# KiCad board reform2-keyboard.kicad_pcb (continued)
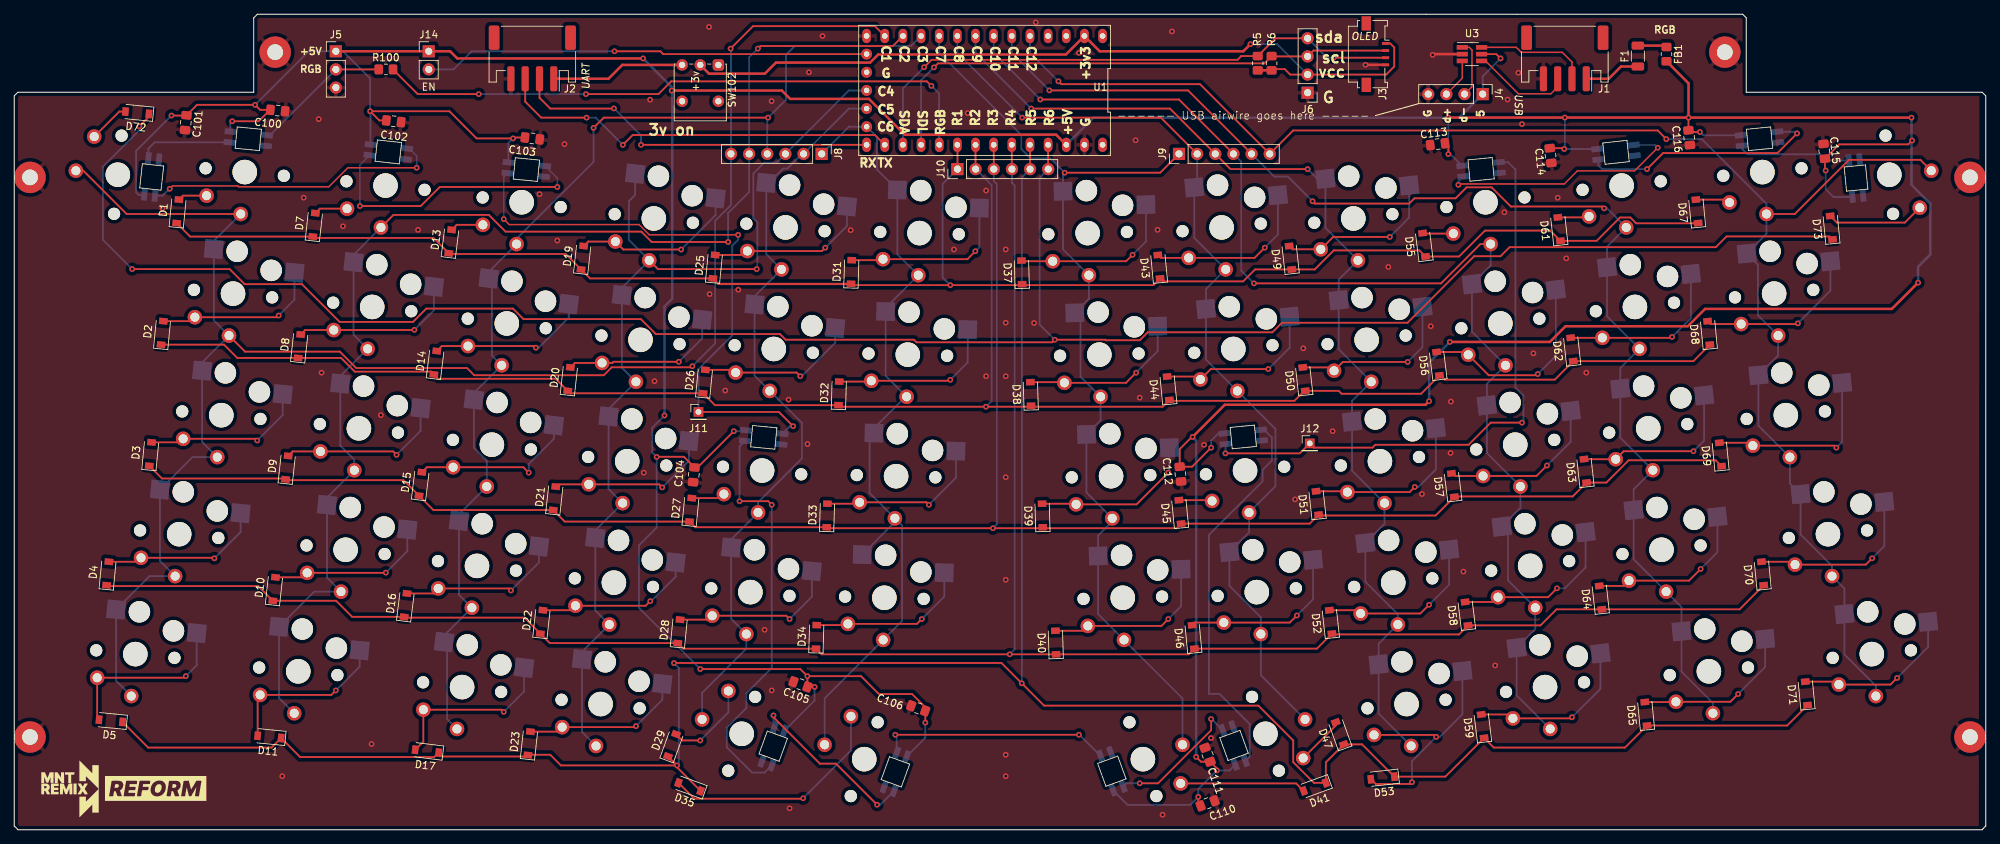
[diagram p0: board, top side]
## Nets (continued)
Net-(D113-Pad2): D113.2 D114.4
Net-(D114-Pad2): D114.2 D115.4
Net-(D115-Pad2): D115.2 D116.4
Net-(F1-Pad2): F1.2 FB1.1
Net-(SW102-Pad3): J2.1 SW102.3

Pads without a net: D116 2; J1 MP; J2 MP; J3 MP; SW102 1; U1 1 3 4 33

## Via types
v1: diameter 0.8, hole 0.4, Top to Bottom, 213 vias

## Routing (per net, layer and track width the routed paths; a pad name or vN(x,y) marks a point on that pad's centre or on a via; arc(x,y) is an arc through that point)
+3V3: length 114.8
  Top w0.25: R6.1 176.13,106.5 177.8,106.5 178.56,105.74 J6.2 192,105.74 193.12,106.86 193.12,109.54 192.56,110.1 J3.1
  Top w0.35: SW102.2 97.22,105.87 105.04,105.87 106.59,107.41 119.77,107.41 120.91,108.55 147.17,108.55 U1.2 151.9,109 172,109 v1(173,110) ; R5.1 R6.1
  Bottom w0.25: v1(173,110) 176.74,110 J6.2
+5V: length 777.8
  Top w0.25: C102.1 51.09,99.31 v1(49.8,100.6) 60.9,100.6 64.7,96.8 v1(69.8,96.8) 69.93,96.93 C103.1 ; v1(111,21.5) 110,22.5 v1(96,22.5) ; v1(111,21.5) C105.1 v1(112,20) ; v1(111,21.5) 118.5,21.5 121,19 125.65,19 127.47,17.17 C106.1 127.5,16.62 v1(127.5,15) ; v1(167.5,53.5) 164.83,50.83 C112.1 163.1,53.3 164.8,55 v1(164.9,55) ; v1(165.4,10.2) 166.07,9.53 C111.1 168.3,8.58 v1(168.3,8.3) ; v1(89.9,52.2) 89.92,52.22 93.71,52.22 C104.1 95.63,50.73 v1(100.7,55.8) ; v1(200.7,94.6) 200.7,95.66 C113.1 ; 205.9,108.6 207.4,108.6 v1(208,108) ; v1(216.92,95.32) 216.8,95.43 C114.1 ; v1(265.6,96.5) 265.06,95.96 255.4,95.96 C115.1 253.4,92.4 v1(253.5,92.3) ; v1(22,100) 24.07,100 C101.1 25.57,101.5 v1(33.7,101.5) 34.4,100.8 C100.1 35.8,100.8 34.2,99.2 v1(30.5,99.2) ; C110.1 165.7,3.67 v1(165.7,4.6) ; v1(235.9,97.7) 234.53,97.7 C116.1 234.3,99.7 v1(234.31,99.71)
  Top w0.35: 45.5,108.5 J5.1 J14.1 61,109 62,108 v1(88,108) ; v1(198,60) 197.5,59.5 169.4,59.5 v1(164.9,55) ; FB1.2 234.31,104.51 v1(234.31,99.71) ; U1.31 145.8,97.32 124.62,97.32 119.61,102.33 108.58,102.33 107.42,103.5 v1(92,103.5) ; v1(265.51,99.71) v1(234.31,99.71) ; v1(234.31,99.71) 234.3,99.72 200.72,99.72 v1(200.7,99.7) ; v1(200.9,68.3) 214.9,68.3 217.1,70.5 234.2,70.5 236.63,72.93 262.76,72.93 v1(266.44,76.61)
  Bottom w0.25: 107.81,13.89 112,18.08 v1(112,20) ; 30.23,97.75 30.23,98.93 v1(30.5,99.2) ; v1(96,22.5) 87.42,31.08 87.42,39.82 89.9,42.3 v1(89.9,52.2) 89.28,52.82 89.28,56.28 v1(91,58) ; 202.62,92.96 200.98,94.6 v1(200.7,94.6) v1(200.7,99.7) ; 241.59,97.25 236.35,97.25 v1(235.9,97.7) ; v1(127.5,15) 127.5,12.88 124.91,10.29 ; 102.37,55.94 102.24,55.8 v1(100.7,55.8) ; 221.49,95.32 v1(216.92,95.32) 217,95.4 v1(217,99.72) ; v1(22,100) 17.05,95.05 17.05,89.25 17.4,88.9 18.2,88.9 ; J4.1 205.5,105.5 v1(208,108) ; v1(253.5,92.3) 253.5,89.68 254.59,88.59 257.25,88.59 ; 69.15,93.43 69.15,96.15 v1(69.8,96.8) ; 170.88,9.1 170.08,8.3 v1(168.3,8.3) 165.7,5.7 v1(165.7,4.6) 164.59,3.49 155.8,3.49 153.78,5.5 ; 49.85,95.94 49.85,100.55 v1(49.8,100.6) 49.8,105.2 46,109 J5.1 41.2,109 v1(33.7,101.5) ; v1(167.5,53.5) 167.5,54.49 168.51,55.5 169.34,55.5
  Bottom w0.35: v1(266.44,76.61) 266.44,78.84 268.15,80.55 268.15,87.66 265.51,90.3 v1(265.51,99.71) ; J4.1 202.2,99.7 151.02,99.7 U1.31 ; v1(200.9,68.3) 198,65.4 v1(198,60) ; v1(165.4,10.2) 165.4,54.5 v1(164.9,55) ; v1(88,108) 92,104 v1(92,103.5) 92.07,103.43 92.07,74.35 91,73.28 v1(91,58)
GND: length 7
  Top w0.35: v1(198.5,108.5) 198.6,108.6 U3.2 ; J3.4 v1(189.1,107.1)
  vias: v1(20.74,86.99) v1(37.5,7.5) v1(40.5,88.5) v1(42.6,99.5) v1(43,64) v1(46,84.5) v1(50,12) v1(51.3,58.05) v1(56.5,84) v1(73.5,89) v1(76,82.5) v1(77,96) v1(88.1,50) v1(88.98,102.23) v1(89.6,62.8) v1(97.23,112.41) v1(97.31,75) v1(99.5,61.5) v1(101.32,75.62) v1(105,28) v1(105.99,102.02) v1(106,19.5) v1(108.36,60.23) v1(108.5,3) v1(111.01,54) v1(111.2,106.06) v1(113.11,111.14) v1(117.05,83.95) v1(131.5,81.25) v1(133.43,100.34) v1(136,89.5) v1(136,63.5) v1(138.75,81.25) v1(138.75,71) v1(138.75,63.5) v1(138.75,49.36) v1(138.75,35) v1(138.75,10.5) v1(138.75,7.5) v1(142.72,70.95) v1(142.96,113.05) v1(149,108.77) v1(156.93,96.53) v1(157.5,60.5) v1(160,84) v1(160.7,2.1) v1(162,111.78) v1(166.5,53.9) v1(167.48,12.83) v1(179.25,46.25) v1(180.4,67.4) v1(184.5,55.8) v1(192.3,78.8) v1(197,47) v1(198.23,70.5) v1(201.05,59.95) v1(201,52.75) v1(202.81,36.15) v1(207.25,23) v1(208.54,86.46) v1(208.98,102.25) v1(210.5,106) v1(211,98.8) v1(212.6,66.7) v1(216,88.5) v1(217.2,80) v1(220,64)
COL1: length 248.4
  Top w0.25: v1(94.9,64.9) 94.75,64.75 83.61,64.75 82.5,63.64 64.36,63.64 63.36,64.64 47.86,64.64 45.55,66.95 32.29,66.95 SW2.1 ; SW72.1 9.66,92.28 15.72,86.21 SW1.1 ; U1.13 120.45,112.51 103.39,112.51 v1(100.25,109.37)
  Bottom w0.25: v1(100.25,109.37) 100.3,109.32 J8.6 100.3,87.47 98.08,85.25 98.08,68.08 v1(94.9,64.9) ; SW1.1 27.92,82.45 SW2.1 27.92,71.32 SW2.1 26.28,65.43 SW3.1 26.28,54.3 SW3.1 24.94,52.17 SW4.1 20.39,37.63 SW4.1 18.93,35.51 SW5.1 14.25,20.84 SW5.1
COL2: length 182.6
  Top w0.25: SW7.1 53.07,86.09 66.41,86.09 68.75,83.75 87.75,83.75 89.2,82.3 v1(99.9,82.3) ; v1(104.07,109.37) 104.43,109.74 122.96,109.74 U1.12
  Bottom w0.25: SW11.1 37.05,18.43 SW11.1 41.98,33.34 SW10.1 43.76,35.3 SW10.1 43.76,46.51 SW9.1 47.59,51.81 45.62,53.78 SW9.1 45.62,63.51 SW8.1 47.48,69.3 SW8.1 47.48,80.5 SW7.1 ; v1(104.07,109.37) 102.84,108.15 J8.5 102.84,89.3 99.9,86.36 v1(99.9,82.3)
COL3: length 157.3
  Top w0.25: v1(81.07,98.27) 82.5,99.71 v1(105.49,99.71)
  Bottom w0.25: U1.11 125.53,109.77 109.27,109.77 108,108.5 108,102.22 v1(105.49,99.71) 105.38,99.6 J8.4 ; v1(81.07,98.27) 81.07,93.52 70.29,82.74 SW13.1 66.83,78.55 66.83,66.4 SW14.1 64.31,61.14 SW15.1 64.31,53.49 66.12,51.68 SW15.1 62.23,44.17 SW16.1 62.23,32.89 SW16.1 60.58,27.63 60.58,15.48 SW17.1
COL4: length 141.2
  Top w0.25: v1(103.9,78.5) 90.08,78.5 SW19.1
  Bottom w0.25: U1.17 116.81,103.52 J8.3 106.7,93.41 104.96,93.41 103.43,91.87 103.43,85.63 104,85.05 104,78.6 v1(103.9,78.5) ; SW19.1 86.89,88.89 86,88 86,82.58 SW19.1 85.03,75.9 SW20.1 85.03,64.69 SW20.1 83.17,58.9 SW21.1 83.17,47.69 SW21.1 81.31,41.9 SW22.1 81.31,30.7 SW22.1 79.45,24.9 SW23.1 79.45,13.7 SW23.1
COL5: length 107.1
  Bottom w0.25: SW25.1 105.59,90.57 107.6,92.58 108.17,92.58 110.22,94.63 J8.2 116.81,100.98 U1.18 ; SW25.1 105.24,80.59 SW25.1 103.6,74.7 SW26.1 103.6,63.57 SW26.1 105.77,61.44 110.23,56.97 110.23,52 104.09,45.86 SW27.1 100.33,40.66 SW28.1 100.33,29.52 SW28.1 102.45,25.35 96.26,19.16 SW29.1 ; SW25.1 105.84,91.17
COL6: length 115.3
  Bottom w0.25: SW35.1 113.41,18.39 SW34.1 124.25,29.24 124.25,42.59 SW33.1 119.69,47.15 119.69,55.6 124.72,60.62 SW32.1 121.94,63.56 SW32.1 121.94,73.07 SW31.1 123.58,80.58 SW31.1 120.73,92.44 120.73,96.99 U1.19 116.81,98.44 J8.1 ; 123,42.85 SW34.1
COL7: length 137.1
  Top w0.25: J9.1 160.37,92 v1(147,92)
  Bottom w0.25: SW41.1 163.49,18.39 SW40.1 151.69,30.2 SW40.1 151.69,41.19 153.66,43.16 SW39.1 150.05,47.22 SW39.1 152.02,57.33 SW38.1 149.22,63.43 149.22,71.56 SW38.1 150.38,74.35 SW37.1 146.77,81.26 SW37.1 146.77,91.77 v1(147,92) 145,94 142.27,94 140.95,95.32 140.95,97.27 129.44,108.78 U1.10
COL8: length 135.2
  Top w0.25: v1(141.05,99.71) 160.46,99.71 J9.2
  Bottom w0.25: SW47.1 174.45,21.64 SW46.1 174.45,29.75 170.05,34.15 SW46.1 172.81,41.64 SW45.1 176.5,48.1 176.5,56.12 SW44.1 166.78,65.84 SW44.1 166.78,75.71 SW43.1 165.14,82.86 SW43.1 165.54,90.35 J9.2 ; U1.9 131.98,108.78 v1(141.05,99.71)
COL9: length 151.9
  Top w0.25: v1(142.32,100.98) 161.73,100.98 J9.3 170.21,92.5 v1(181,92.5)
  Bottom w0.25: SW53.1 190.94,16.28 SW53.1 190.94,26.05 SW52.1 193.63,30.17 189.08,34.71 SW52.1 191.76,42.84 SW51.1 187.22,50.27 SW51.1 187.22,60.04 SW50.1 185.36,67.27 SW50.1 185.36,77.04 SW49.1 183.5,84.27 SW49.1 182.35,91.15 v1(181,92.5) ; v1(142.32,100.98) 134.52,108.78 U1.8
COL10: length 176.5
  Top w0.25: v1(143.59,102.25) 163,102.25 J9.4 ; SW55.1 205.17,82 199.67,76.5 v1(173.5,76.5)
  Bottom w0.25: SW59.1 210.25,18.81 SW59.1 212.86,28.09 SW58.1 209.03,34.91 209.03,41.58 SW58.1 210.78,45.06 SW57.1 206.08,52.75 SW57.1 206.08,62.42 SW56.1 204,69.73 SW56.1 206.61,79 SW55.1 ; U1.7 137.06,108.78 v1(143.59,102.25) ; J9.4 171.71,93.54 171.71,78.29 v1(173.5,76.5)
COL11: length 180.1
  Top w0.25: v1(222.5,87) 222.23,87.27 209.44,87.27 206.76,89.95 203.25,89.95 201.72,88.42 195.96,88.42 195.22,87.68 182.01,87.68 v1(181.69,88) ; J9.5 164.27,103.52 v1(144.86,103.52)
  Bottom w0.25: v1(222.5,87) 222.92,87 SW61.1 222.91,81.65 SW62.1 222.91,71.88 SW62.1 224.77,64.65 SW63.1 224.77,54.88 SW63.1 226.63,47.65 SW64.1 226.63,37.88 SW64.1 233.33,31.19 SW65.1 233.33,22.14 237.72,17.74 SW65.1 ; v1(181.69,88) 178.24,91.45 176.34,91.45 J9.5 ; v1(144.86,103.52) 139.6,108.78 U1.6
COL12: length 223.6
  Top w0.25: SW67.1 249.17,86.21 256.76,93.8 266.76,93.8 SW73.1 ; v1(146.13,104.79) 146.53,104.39 165.94,104.39 J9.6 178.98,97.91 229.99,97.91 v1(231.2,96.7)
  Bottom w0.25: SW71.1 260.53,20.15 256.13,24.55 SW71.1 256.13,33.77 SW70.1 254.39,36.94 249.99,41.34 SW70.1 248.49,48.49 SW69.1 244.1,56.57 SW69.1 246.85,66.41 SW68.1 244.02,72.03 244.02,79.11 SW68.1 245.21,83.43 SW67.1 245.21,87.65 236.16,96.7 v1(231.2,96.7) ; U1.5 142.14,108.78 v1(146.13,104.79)
D+: length 5.6
  Top w0.2: J4.3 202.65,105.23 U3.3
D-: length 8.1
  Top w0.2: J4.2 204,104.04 204,109.18 203.63,109.55 U3.1
DISP_SCL: length 75.8
  Top w0.25: v1(128.71,106.75) 129.26,107.3 174.93,107.3 R6.2 176.01,108.28 J6.3 181.82,109.1 J3.2
  Bottom w0.25: U1.23 126.9,104.94 v1(128.71,106.75)
DISP_SDA: length 79.5
  Top w0.25: v1(127.33,106.77) 128.37,107.8 171.19,107.8 171.72,108.33 R5.2 176.51,110.82 J6.4 ; J3.3 v1(184.64,108.1)
  Bottom w0.25: v1(127.33,106.77) 124.36,103.8 U1.22 ; J6.4 183.72,108.1 v1(184.64,108.1)
EN: length 62.5
  Top w0.25: U1.15 90.81,108.6 90.41,109 v1(84,109)
  Bottom w0.25: J14.2 61.46,106.46 64,109 v1(84,109)
HD+: length 13.5
  Top w0.2: J1.3 216,104 215.05,103.05 210.5,103.05 205.9,107.65
HD-: length 15.3
  Top w0.2: 205.9,109.55 210.2,109.55 210.9,108.85 216.65,108.85 218,107.5 J1.2
POWERIN: length 7.9
  Top w0.35: J1.1 223.15,105.15 224.87,106.87 F1.1
RGB: length 86.5
  Top w0.25: v1(65,103) 56.46,103 R100.2 ; v1(128.35,104.16) 127.72,104.79 91.94,104.79 90.15,103 v1(80,103)
  Bottom w0.25: v1(128.35,104.16) 129.44,103.06 U1.24 ; v1(65,103) v1(80,103)
RGBI: length 19.5
  Top w0.25: J5.2 R100.1
  Bottom w0.25: J5.2 35.79,97.25 D100.4
RGBO1: length 32.6
  Top w0.25: v1(149,13.3) v1(123.3,13.3)
  Bottom w0.25: v1(149,13.3) 149.06,13.3 D110.4 ; D106.2 123.48,13.12 v1(123.3,13.3)
ROW1: length 263.8
  Top w0.25: D25.1 80.58,77.19 D19.1 77.16,80.61 60.92,80.61 D13.1 58.67,82.86 41.97,82.86 D7.1 24.61,83.06 D1.1 ; D25.1 98.52,76.45 D31.1 ; D25.1 98.57,76.39 116.64,76.39 116.78,76.25 v1(131,76.25) 140.91,76.25 D37.1 141.19,76.25 159.42,76.25 D43.1 160.77,76.78 171.98,76.78 173.65,78.45 D49.1 181.99,78.45 184.66,81.12 196.65,81.12 D55.1 202.2,80.26 205.83,83.89 214.95,83.89 D61.1 221.45,82.46 224.72,85.72 226.17,85.72 226.98,84.91 235.02,84.91 235.06,84.95 D67.1 ; U1.25 132,95.88 J10.1
  Bottom w0.25: J10.1 129.92,90.42 129.92,77.33 131,76.25 v1(131,76.25)
ROW2: length 262.8
  Top w0.25: 199.56,63.64 200.18,63.03 215.6,63.03 D62.1 234.98,65.61 D68.1 ; J10.2 134.52,92.52 U1.26 ; D2.1 29.35,67.92 31.21,66.06 D8.1 45.73,66.06 47.65,64.14 58.33,64.14 D14.1 59.33,63.14 75.77,63.14 D20.1 77.8,61.11 D26.1 98.05,59.45 D32.1 115.57,59.23 v1(135.98,59.23) 142.16,59.23 D38.1 142.44,59.23 160.72,59.23 D44.1 161.78,60.05 179.15,60.05 180.55,61.45 D50.1 185.35,61.45 185.76,61.04 196.88,61.04 D56.1
  Bottom w0.25: J10.2 136.78,90.26 136.78,60.03 v1(135.98,59.23)
ROW3: length 282.3
  Top w0.25: 182.54,44.45 183,44 198.92,44 D57.1 ; U1.27 137.08,95.88 J10.3 ; 201.64,46.67 218.1,46.67 D63.1 222.81,48.61 225.93,51.73 238.11,51.73 D69.1 ; D51.1 181.29,42.86 D45.1 162.65,42.21 144.08,42.21 D39.1 143.8,42.21 v1(136.96,42.21) 113.84,42.21 D33.1 95.29,42.35 D27.1 77.03,43.15 D21.1 58.66,44.76 D15.1 54.47,48.94 38.09,48.94 D9.1 37.85,49.18 20.67,49.18 D3.1
  Bottom w0.25: v1(136.96,42.21) 137.5,42.75 137.5,90.4 137.08,90.82 J10.3
ROW4: length 311.8
  Top w0.25: D4.1 13.04,34.12 34.13,34.12 D10.1 45.03,32.06 47.29,29.81 D16.1 54.66,29.7 71.38,29.7 D22.1 74.95,26.13 D28.1 93.63,25.35 D34.1 112.99,24.56 v1(139.31,24.56) D40.1 164.36,24.56 D46.1 182.31,25.36 D52.1 184.52,27.34 202.18,27.34 D58.1 213.59,28.61 215.84,30.86 D64.1 241.45,30.86 D70.1 ; J10.4 139.6,92.52 U1.28
  Bottom w0.25: J10.4 139.62,90.62 139.6,90.6 140,90.2 140,25.25 v1(139.31,24.56)
ROW5: length 357.7
  Top w0.25: v1(92.75,9) 76.5,9 75,10.5 71.92,10.5 D23.1 71.67,10.25 59.94,10.25 D17.1 58.76,10.18 40.01,10.18 D11.1 36,11.5 18.73,11.5 D5.1 ; v1(92.75,9) 92.75,9.01 D29.1 ; v1(92.75,9) 92.75,8.74 D35.1 ; D71.1 248.11,14.59 D65.1 225.42,11.5 207.06,11.5 D59.1 200.27,7.43 D53.1 188.62,11.95 D47.1 183.55,9.44 D41.1 181.88,6.56 178.99,9.46 178.99,12.49 174.11,17.37 144.13,17.37 v1(141,20.5) 138.15,23.35 92.35,23.35 v1(92.33,23.33) ; J10.5 142.16,95.88 U1.29
  Bottom w0.25: v1(141,20.5) 141,91.34 J10.5 ; v1(92.33,23.33) 93,22.65 93,9.25 v1(92.75,9)
ROW6: length 304.9
  Top w0.25: v1(16.5,78.5) 30.13,78.5 32.24,76.39 40.25,76.39 45.53,71.11 55.8,71.11 57.67,72.98 69.79,72.98 71.27,71.5 87.69,71.5 89.78,69.4 107.16,69.4 107.95,68.61 125.91,68.61 126.27,68.25 145.25,68.25 v1(145.61,68.61) 152.69,68.61 152.76,68.54 157.52,68.54 158.63,69.65 176.07,69.65 177.41,70.99 194.99,70.99 204.3,80.3 208,80.3 209.27,81.57 238.12,81.57 239.62,83.07 254.05,83.07 D73.1 ; U1.30 144.68,92.52 J10.6 ; v1(17.5,98.5) 18.84,99.84 D72.1
  Bottom w0.25: v1(17.5,98.5) 17.5,97.94 12.4,92.84 12.4,82.6 v1(16.5,78.5) ; v1(145.61,68.61) 143.49,70.73 143.49,91.29 J10.6
UART_RX: length 52
  Top w0.25: J2.2 73.5,102.49 75.01,100.98 83.9,100.98 v1(83.92,101) ; U1.20 v1(87.71,95.9)
  Bottom w0.25: v1(87.71,95.9) 87.71,97.21 v1(83.92,101)
UART_TX: length 57.2
  Top w0.25: v1(85.17,95.9) 86.54,97.27 120.45,97.27 U1.21 ; v1(80.09,99.71) 73.74,99.71 71.5,101.95 J2.3
  Bottom w0.25: v1(85.17,95.9) 81.36,99.71 v1(80.09,99.71)
Net-(D1-Pad2): length 4.1
  Top w0.25: D1.2 23.59,88.78 SW1.2
Net-(D2-Pad2): length 23.4
  Top w0.25: v1(37,72) 36.76,71.76 SW2.2 24.72,71.21 D2.2
  Bottom w0.25: v1(37,72) 39.21,74.21 SW2.2
Net-(D3-Pad2): length 23.1
  Top w0.25: v1(34,54.5) 33.76,54.74 SW3.2 23.13,54.24 D3.2
  Bottom w0.25: v1(34,54.5) 37.57,58.07 SW3.2
Net-(D4-Pad2): length 22.9
  Top w0.25: D4.2 17.18,37.52 SW4.2 27.92,38.08 v1(28,38)
  Bottom w0.25: SW4.2 31.67,41.67 v1(28,38)
Net-(D5-Pad2): length 25.1
  Top w0.25: v1(24,21.5) 23.79,21.29 SW5.2 11.6,15.67 D5.2
  Bottom w0.25: SW5.2 25.54,23.04 v1(24,21.5)
Net-(D7-Pad2): length 4.7
  Top w0.25: D7.2 42.76,86.96 SW7.2
Net-(D8-Pad2): length 23.3
  Top w0.25: v1(56,70) 55.97,69.97 SW8.2 40.7,69.97 D8.2
  Bottom w0.25: v1(56,70) 58.73,72.73 SW8.2
Net-(D9-Pad2): length 23.5
  Top w0.25: D9.2 38.96,52.97 SW9.2 53.03,52.97 v1(53.5,52.5)
  Bottom w0.25: SW9.2 56.86,55.86 v1(53.5,52.5)
Net-(D10-Pad2): length 23
  Top w0.25: D10.2 40.36,35.34 SW10.2 51.97,35.97 v1(52,36)
  Bottom w0.25: SW10.2 55,39 v1(52,36)
Net-(D11-Pad2): length 23.7
  Top w0.25: D11.2 34.06,18.53 SW11.2 44.38,18.88 v1(45,19.5)
  Bottom w0.25: SW11.2 48.34,22.84 v1(45,19.5)
Net-(D13-Pad2): length 4.7
  Top w0.25: D13.2 61.91,84.7 SW13.2
Net-(D14-Pad2): length 22.5
  Top w0.25: v1(73,67.5) 72.77,67.73 SW14.2 59.82,67.73 D14.2
  Bottom w0.25: v1(73,67.5) 73.4,67.5 77.59,71.7 SW14.2
Net-(D15-Pad2): length 23.6
  Top w0.25: D15.2 57.74,50.75 SW15.2 71.25,50.75 v1(72,50)
  Bottom w0.25: v1(72,50) 72,51.21 75.51,54.72 SW15.2
Net-(D16-Pad2): length 22.7
  Top w0.25: v1(69.5,33.5) 69.22,33.78 SW16.2 58.63,33.08 D16.2
  Bottom w0.25: v1(69.5,33.5) 73.43,37.43 SW16.2
Net-(D17-Pad2): length 24.8
  Top w0.25: D17.2 57.25,12.33 SW17.2 68.19,16.81 v1(68.5,16.5)
  Bottom w0.25: SW17.2 71.34,19.34 v1(68.5,16.5)
Net-(D19-Pad2): length 23.5
  Top w0.25: D19.2 80.31,82.36 SW19.2 85.23,81.24 v1(93.33,81.24)
  Bottom w0.25: v1(93.33,81.24) 98.14,86.05 SW19.2
Net-(D20-Pad2): length 22.8
  Top w0.25: D20.2 78.45,65.36 SW20.2 83.69,65.36 83.86,65.52 v1(93,65.52)
  Bottom w0.25: SW20.2 96.27,68.8 v1(93,65.52)
Net-(D21-Pad2): length 23.2
  Top w0.25: D21.2 76.1,48.36 SW21.2 90.25,48.36 v1(90.67,47.93)
  Bottom w0.25: SW21.2 94.41,51.67 v1(90.67,47.93)
Net-(D22-Pad2): length 22.5
  Top w0.25: v1(89,32) 88.36,31.36 SW22.2 77.91,30.74 D22.2
  Bottom w0.25: v1(89,32) 89.12,32 92.55,35.43 SW22.2
Net-(D23-Pad2): length 22.5
  Top w0.25: v1(87,14.5) 86.86,14.36 SW23.2 76.04,13.74 D23.2
  Bottom w0.25: v1(87,14.5) 90.69,18.19 SW23.2
Net-(D25-Pad2): length 22.9
  Top w0.25: D25.2 102.04,80.48 SW25.2 113.03,81.03 v1(113.5,81.5)
  Bottom w0.25: v1(113.5,81.5) 116.53,84.53 SW25.2
Net-(D26-Pad2): length 22.6
  Top w0.25: D26.2 100.57,64.39 SW26.2 109.49,64.01 v1(110,63.5)
  Bottom w0.25: v1(110,63.5) 110.21,63.5 114.89,68.18 SW26.2
Net-(D27-Pad2): length 4.7
  Top w0.25: D27.2 98.76,46.43 SW27.2
Net-(D28-Pad2): length 23.7
  Top w0.25: D28.2 97.12,29.41 SW28.2 108.03,29.97 v1(108.5,29.5)
  Bottom w0.25: SW28.2 111.61,32.61 v1(108.5,29.5)
Net-(D29-Pad2): length 12.3
  Top w0.25: v1(96,12.5) 93.49,12.5 D29.2
  Bottom w0.25: v1(96,12.5) 99.94,16.44 SW29.2
Net-(D31-Pad2): length 24.1
  Top w0.25: v1(134.5,81) 133.39,79.89 SW31.2 121.44,79.75 D31.2
  Bottom w0.25: SW31.2 135.07,81.57 v1(134.5,81)
Net-(D32-Pad2): length 23.7
  Top w0.25: D32.2 119.82,62.75 SW32.2 130.87,62.87 v1(131,63)
  Bottom w0.25: SW32.2 133.43,65.43 v1(131,63)
Net-(D33-Pad2): length 23.5
  Top w0.25: v1(128,45.5) 127.65,45.85 SW33.2 118.1,45.65 D33.2
  Bottom w0.25: v1(128,45.5) 131.79,49.29 SW33.2
Net-(D34-Pad2): length 22.8
  Top w0.25: D34.2 116.49,28.65 SW34.2 126.32,28.82 v1(127,29.5)
  Bottom w0.25: SW34.2 130.15,32.65 v1(127,29.5)
Net-(D35-Pad2): length 32.6
  Top w0.25: D35.2 95.17,4.34 110.34,4.34 v1(110.4,4.4)
  Bottom w0.25: SW35.2 117.09,11.09 v1(110.4,4.4)
Net-(D37-Pad2): length 23.8
  Top w0.25: D37.2 141.04,79.6 SW37.2 155.6,79.6 v1(156.5,80.5)
  Bottom w0.25: v1(156.5,80.5) 158.38,82.38 SW37.2
Net-(D38-Pad2): length 23.2
  Top w0.25: v1(157,64) 155.58,62.58 SW38.2 146.87,62.67 D38.2
  Bottom w0.25: v1(157,64) 160.02,67.02 SW38.2
Net-(D39-Pad2): length 23.1
  Top w0.25: D39.2 148.51,45.65 SW39.2 157.06,45.56 v1(161.5,50)
  Bottom w0.25: SW39.2 161.66,50.16 v1(161.5,50)
Net-(D40-Pad2): length 24.2
  Top w0.25: v1(161.5,29.5) 160.54,28.54 SW40.2 149.56,27.86 D40.2
  Bottom w0.25: v1(161.5,29.5) 163.29,31.29 SW40.2
Net-(D41-Pad2): length 17.7
  Top w0.25: SW41.2 179.4,6.48 D41.2
Net-(D43-Pad2): length 23.8
  Top w0.25: D43.2 160.45,80.07 SW43.2 173.57,80.07 v1(175,81.5)
  Bottom w0.25: v1(175,81.5) 176.85,83.35 SW43.2
Net-(D44-Pad2): length 23.5
  Top w0.25: v1(175.5,64.5) 167.44,64.5 SW44.2 165.59,63.46 D44.2
  Bottom w0.25: v1(175.5,64.5) 178.48,67.48 SW44.2
Net-(D45-Pad2): length 4.7
  Top w0.25: D45.2 167.52,46.14 SW45.2
Net-(D46-Pad2): length 24
  Top w0.25: v1(179.5,30) 178.51,29.01 SW46.2 165.21,29.01 D46.2
  Bottom w0.25: SW46.2 181.76,32.26 v1(179.5,30)
Net-(D47-Pad2): length 6.9
  Top w0.25: SW47.2 184.94,14.59 D47.2
Net-(D49-Pad2): length 23.3
  Top w0.25: v1(192.5,83) 184.57,83 SW49.2 178.88,81.27 D49.2
  Bottom w0.25: SW49.2 195.22,85.72 v1(192.5,83)
Net-(D50-Pad2): length 24
  Top w0.25: v1(195,65.5) 185.93,65.5 SW50.2 184.24,64.73 D50.2
  Bottom w0.25: v1(195,65.5) 197.08,67.58 SW50.2
Net-(D51-Pad2): length 23.9
  Top w0.25: D51.2 186.11,47.39 186.23,47.27 SW51.2 195.27,47.27 v1(196,48)
  Bottom w0.25: SW51.2 198.94,50.44 196.5,48 v1(196,48)
Net-(D52-Pad2): length 23.5
  Top w0.25: D52.2 187.97,30.74 SW52.2 196.77,30.27 v1(198,31.5)
  Bottom w0.25: v1(198,31.5) 200.8,34.3 SW52.2
Net-(D53-Pad2): length 33.7
  Top w0.25: v1(199,13) 198.72,13.28 SW53.2 ; v1(195.6,6.66) 195.35,6.41 190.52,6.41 D53.2
  Bottom w0.25: SW53.2 202.66,16.16 199.5,13 v1(199,13) 195.6,9.6 v1(195.6,6.66)
Net-(D55-Pad2): length 4.3
  Top w0.25: SW55.2 197.16,83.48 D55.2
Net-(D56-Pad2): length 28.4
  Top w0.25: D56.2 203.1,66.89 SW56.2 206.34,63.64 213.04,63.64 v1(213.2,63.8)
  Bottom w0.25: SW56.2 215.73,66.33 v1(213.2,63.8)
Net-(D57-Pad2): length 23.2
  Top w0.25: 201.13,50.05 201.65,49.53 SW57.2 213.03,49.53 v1(214.5,51)
  Bottom w0.25: v1(214.5,51) 217.82,54.32 SW57.2
Net-(D58-Pad2): length 23.8
  Top w0.25: v1(215.9,33.8) 214.66,32.56 SW58.2 206.97,31.89 D58.2
  Bottom w0.25: v1(215.9,33.8) 217,33.8 219.9,36.7 SW58.2
Net-(D59-Pad2): length 23.6
  Top w0.25: D59.2 209.18,16.14 SW59.2 217.84,15.59 v1(218,15.75)
  Bottom w0.25: SW59.2 221.98,19.73 v1(218,15.75)
Net-(D61-Pad2): length 4.4
  Top w0.25: D61.2 220.26,85.74 SW61.2
Net-(D62-Pad2): length 24.2
  Top w0.25: v1(232,69) 231.88,68.88 SW62.2 217.83,68.88 D62.2
  Bottom w0.25: SW62.2 234.63,71.63 v1(232,69)
Net-(D63-Pad2): length 24.2
  Top w0.25: D63.2 219.69,51.88 SW63.2 225.24,53 v1(235,53)
  Bottom w0.25: SW63.2 236.49,54.49 v1(235,53)
Net-(D64-Pad2): length 23.5
  Top w0.25: D64.2 225.24,34.14 SW64.2 234.38,34.88 v1(236,36.5)
  Bottom w0.25: v1(236,36.5) 238.35,38.85 SW64.2
Net-(D65-Pad2): length 22.8
  Top w0.25: D65.2 232.5,17.87 SW65.2 240.17,17.92 v1(241.25,19)
  Bottom w0.25: SW65.2 245.03,22.78 v1(241.25,19)
Net-(D67-Pad2): length 4.2
  Top w0.25: 235.99,88.23 239.63,88.23 SW67.2
Net-(D68-Pad2): length 23.4
  Top w0.25: D68.2 237.38,70.8 SW68.2 249.5,70.8 v1(249.6,70.9)
  Bottom w0.25: SW68.2 254.16,75.46 v1(249.6,70.9)
Net-(D69-Pad2): length 26.1
  Top w0.25: D69.2 242.91,54.19 SW69.2 254.72,53.78 v1(255,53.5)
  Bottom w0.25: SW69.2 255.8,54.3 v1(255,53.5)
Net-(D70-Pad2): length 24.6
  Top w0.25: D70.2 248.81,37.52 SW70.2 259.12,37.12 v1(260,38)
  Bottom w0.25: v1(260,38) 261.7,39.7 SW70.2
Net-(D71-Pad2): length 23.1
  Top w0.25: v1(263.5,21.25) 262.58,20.33 SW71.2 254.94,20.73 D71.2
  Bottom w0.25: v1(263.5,21.25) 267.84,25.59 SW71.2
Net-(D72-Pad2): length 5.8
  Top w0.25: D72.2 14.69,100.56 SW72.2
Net-(D73-Pad2): length 13.8
  Top w0.25: SW73.2 264.58,85.01 255.07,85.01 D73.2
Net-(D100-Pad2): length 13
  Bottom w0.25: 18.77,94.07 18.77,95.37 19.65,96.25 30.09,96.25
Net-(D101-Pad2): length 41.8
  Top w0.2: v1(56.31,92.69) 46.68,92.69 44.02,90.02 31.4,90.02 31.27,90.15 22.15,90.15 v1(21.75,89.75)
  Bottom w0.2: v1(56.31,92.69) 56.31,94.36 55.29,95.38 D102.4
  Bottom w0.25: v1(21.75,89.75) 20.78,88.78 D101.2
Net-(D102-Pad2): length 40.1
  Top w0.25: v1(48.36,87.33) 56.89,87.33 59.56,90 v1(76,90)
  Bottom w0.2: D103.4 76,91.22 v1(76,90) ; D102.2 48.36,93.07 v1(48.36,87.33)
Net-(D103-Pad2): length 83.5
  Top w0.2: v1(68.5,85.5) 69.26,84.74 87.44,84.74 88.87,83.3 v1(101.3,83.3)
  Top w0.25: J11.1 107,58.5 v1(109,56.5)
  Bottom w0.2: D103.2 68.5,91.37 v1(68.5,85.5)
  Bottom w0.25: D104.4 108.55,56.5 v1(109,56.5) ; J11.1 95.75,64.51 100.47,69.23 100.47,81.78 101.3,82.6 v1(101.3,83.3)
Net-(D104-Pad2): length 58.3
  Top w0.25: v1(101.5,46) 105.5,46 v1(106,45.5)
  Bottom w0.25: v1(106,45.5) 106,22.65 102.46,19.11 102.46,17.04 99.71,14.3 99.71,11.54 103.25,8 105,8 D105.4 ; v1(101.5,46) 101.5,53.66 D104.2
Net-(D105-Pad2): length 24.7
  Top w0.25: v1(120.75,3.5) 115,9.25 112.75,9.25 106.25,15.75 v1(106.25,16)
  Bottom w0.25: D106.4 121.2,3.5 v1(120.75,3.5) ; D105.2 106.25,14.48 v1(106.25,16)
Net-(D110-Pad2): length 19.4
  Top w0.25: v1(157.5,6.5) 160.06,6.5 167.5,13.94 v1(167.5,15.5)
  Bottom w0.25: D111.4 167.56,15.5 v1(167.5,15.5) ; D110.2 155.62,6.5 v1(157.5,6.5)
Net-(D111-Pad2): length 54.4
  Bottom w0.25: 172.29,9.61 172.9,10.22 172.9,14.8 168.68,19.02 167.18,19.02 167.18,41.28 174.7,48.8 174.7,50.4 176,51.7 176,54.93 174.93,56 174.52,56
Net-(D112-Pad2): length 83.8
  Top w0.25: v1(211,57) 206.62,57 203.52,53.9 190.47,53.9 190.07,53.5 181.9,53.5 J12.1 179.9,52.7 v1(169.5,52.7)
  Bottom w0.25: 169.5,53.98 v1(169.5,52.7) ; D113.4 209.07,93.46 210.09,92.44 210.09,61.91 211.21,60.79 211.21,57.21 v1(211,57)
Net-(D113-Pad2): length 35.1
  Top w0.2: v1(202.1,90.3) 202.22,90.42 216.92,90.42 218.76,92.26 226.76,92.26 v1(230,95.5)
  Bottom w0.2: v1(230,95.5) 229.62,95.88 D114.4 ; v1(202.1,90.3) 202.1,90.76 D113.2
Net-(D114-Pad2): length 33.8
  Top w0.25: v1(249.5,97.5) 246.75,94.75 230.75,94.75 v1(228.5,92.5)
  Bottom w0.25: v1(228.5,92.5) 222.2,92.5 221.71,92.99 D114.2 ; D115.4 249.26,97.74 v1(249.5,97.5)
Net-(D115-Pad2): length 16.1
  Bottom w0.25: D116.4 253.58,93.72 252.73,94.57 242.56,94.57 241.78,95.35 D115.2
Net-(F1-Pad2): length 4.1
  Top w0.35: F1.2 231.03,109.79 FB1.1
Net-(SW102-Pad3): length 18.8
  Top w0.35: J2.1 83.15,105.15 85.09,107.09 SW102.3

## Copper pours and planes (outline as drawn; the poured copper is in the pictures)
GND on Top: -0.96,119.5 275.04,119.5 274.94,-0.4 -1.06,-0.4
GND on Bottom: 0.04,119.52 276.04,119.52 275.94,-0.38 -0.06,-0.38

## Text on the board
B.Silkscreen: RGB | +5V | G | D+ | D- | 1 | 2 | 3 | 4 | 5 | Col 6 | RX | C4 | C5 | TX | C6 | SDA | SDL | R1 | R2 | R3 | R4 | R5 | R6 | +3v3 | C1 | C2 | C3 | C7 | C8 | C9 | C10 | C11 | C12 | 7 | 8 | 9 | 10 | 11 | Col 12 | scl | vcc | sda | V1.0 June 22
F.Silkscreen: EN | OLED | +3v | UART | USB | +5V | RGB | G | d+ | d- | 5 | ------ USB airwire goes here ----- | +3v3 | C1 | C2 | SDA | C3 | SDL | C7 | C8 | C9 | C10 | C11 | C12 | RX | TX | C6 | C4 | C5 | R1 | R2 | R3 | R4 | R5 | R6 | 3v on | sda | vcc | scl
